# KiCad board SparkFun_RTK_Facet_mosaic_panelized.kicad_pcb (continued)
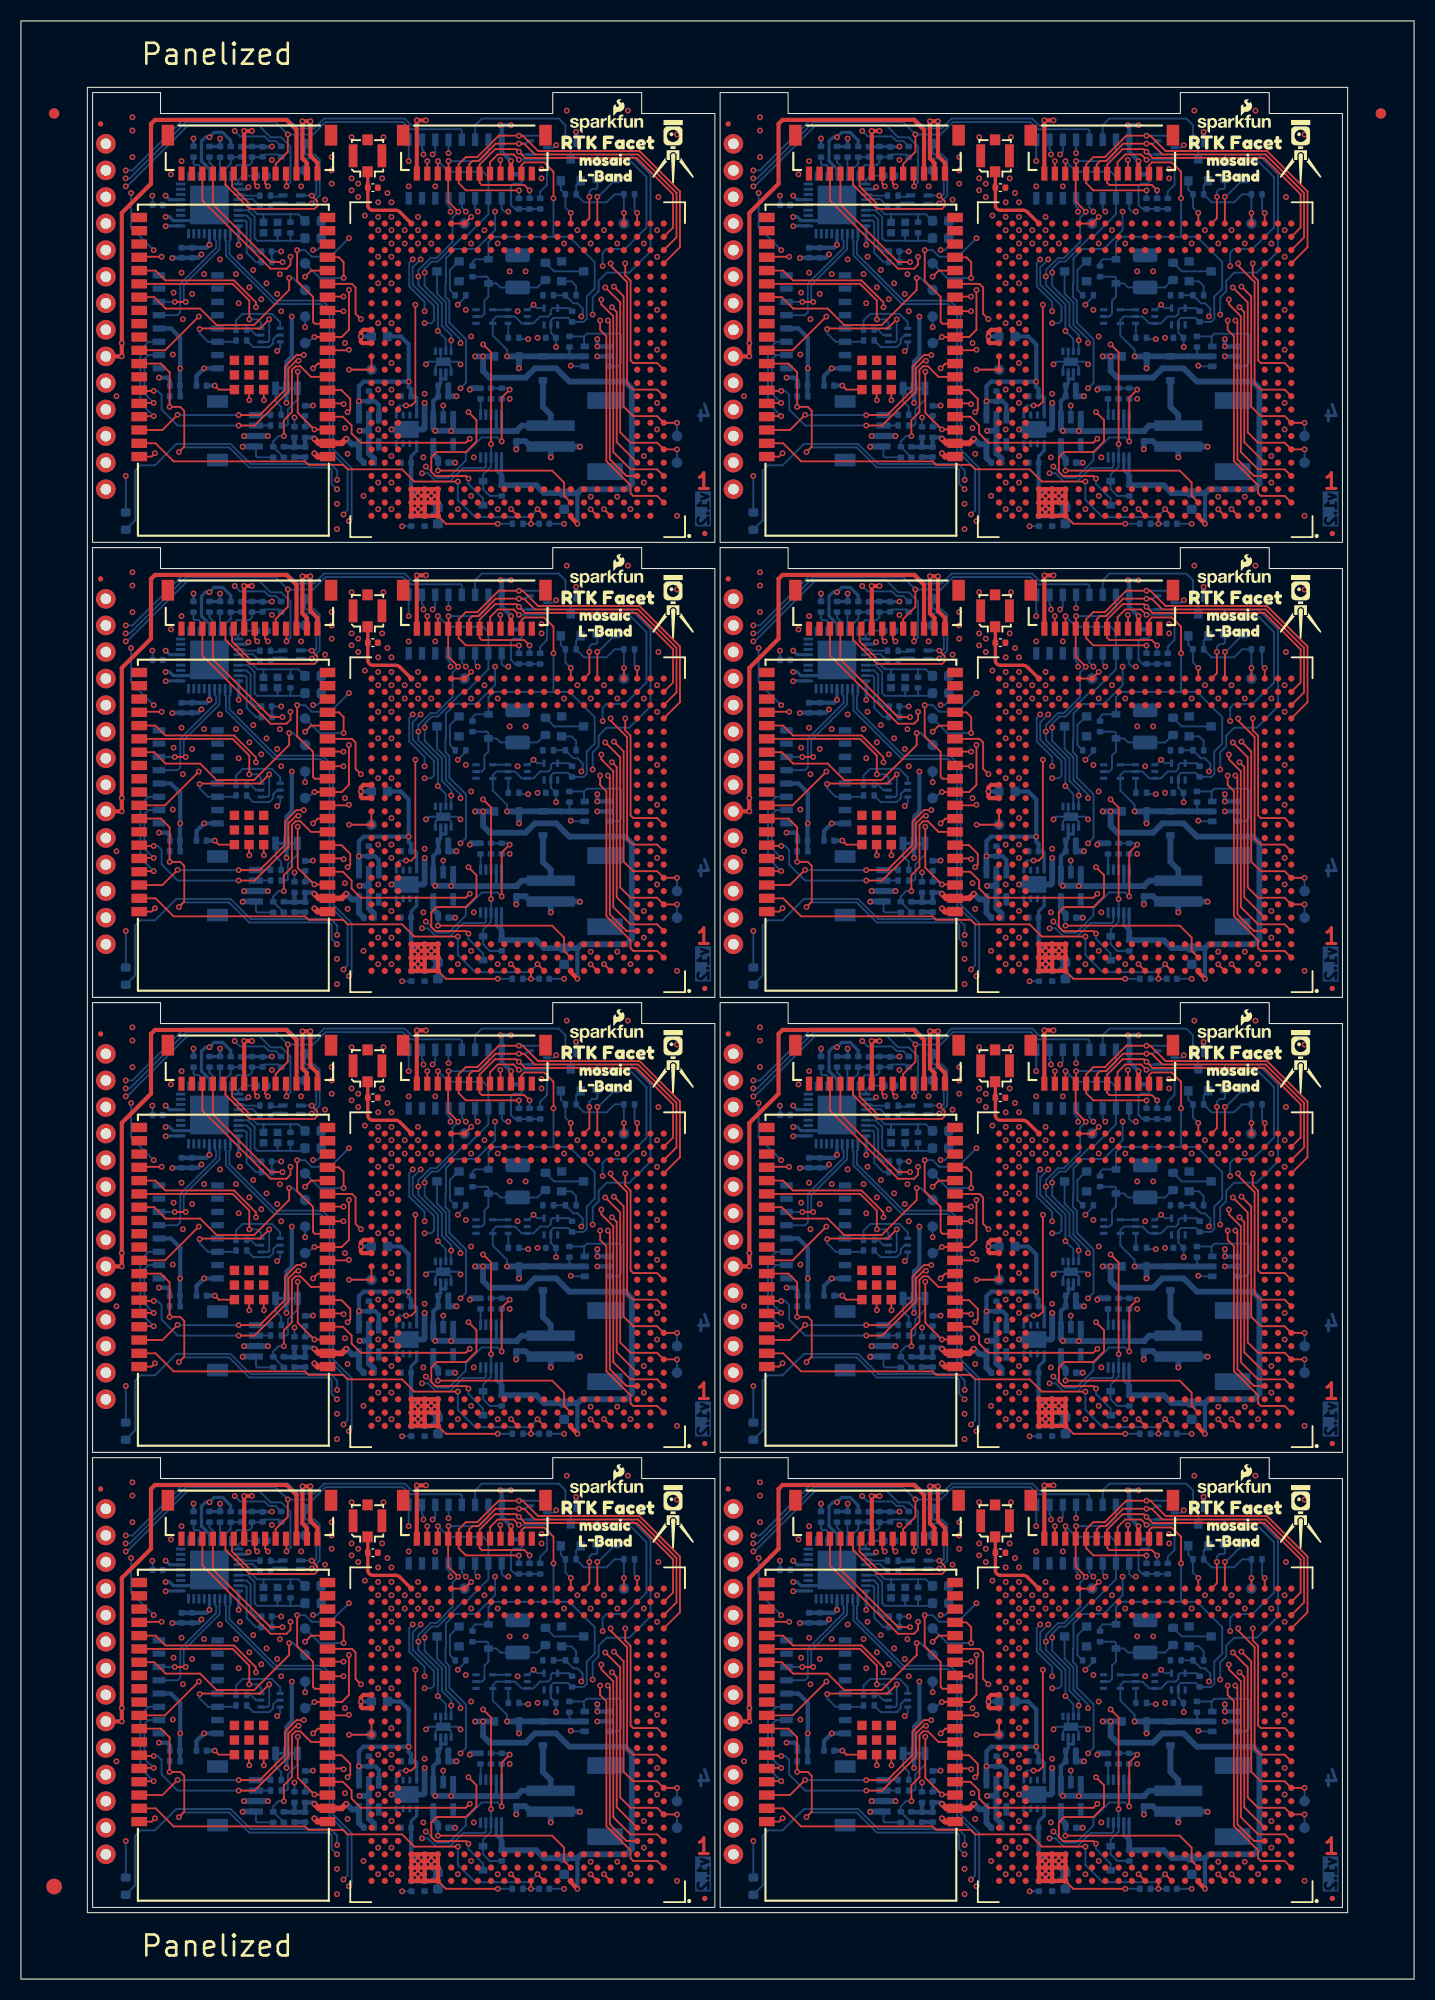
[diagram p0: board, top side]
## Placement (name value [footprint] x y rotation side) (continued)
FID4#8  Fiducial_0.5mm  [Fiducial_0.5mm_Mask1mm]  125.38 94.7 0 top
G1  OSHW_Logo  [Creative_Commons_License]  183.94 -7.12 0 top
G***  LOGO  [SparkFun_Logo_7mm]  115.96 90.48 0 top
G***#2  LOGO  [SparkFun_Logo_7mm]  55.96 46.98 0 top
G***#3  LOGO  [SparkFun_Logo_7mm]  115.96 46.98 0 top
G***#4  LOGO  [SparkFun_Logo_7mm]  55.96 177.48 0 top
G***#5  LOGO  [SparkFun_Logo_7mm]  55.96 133.98 0 top
G***#6  LOGO  [SparkFun_Logo_7mm]  115.96 177.48 0 top
G***#7  LOGO  [SparkFun_Logo_7mm]  55.96 90.48 0 top
G***#8  LOGO  [SparkFun_Logo_7mm]  115.96 133.98 0 top
G***#9  LOGO  [qwiic_5.5mm]  16.76 61.02 90 bottom
G***#10  LOGO  [qwiic_5.5mm]  76.76 61.02 90 bottom
G***#11  LOGO  [qwiic_5.5mm]  16.76 104.52 90 bottom
G***#12  LOGO  [qwiic_5.5mm]  76.76 17.52 90 bottom
G***#13  LOGO  [SparkFun_Logo_10mm]  60.19 119.63 180 bottom
G***#14  LOGO  [qwiic_5.5mm]  76.76 148.02 90 bottom
G***#15  LOGO  [qwiic_5.5mm]  76.76 104.52 90 bottom
G***#16  LOGO  [SparkFun_Logo_10mm]  60.19 76.13 180 bottom
G***#17  LOGO  [SparkFun_Logo_10mm]  60.19 32.63 180 bottom
G***#18  LOGO  [SparkFun_Logo_10mm]  120.19 76.13 180 bottom
G***#19  LOGO  [SparkFun_Logo_10mm]  60.19 163.13 180 bottom
G***#20  LOGO  [SparkFun_Logo_10mm]  120.19 163.13 180 bottom
G***#21  LOGO  [SparkFun_Logo_10mm]  120.19 32.63 180 bottom
G***#22  LOGO  [qwiic_5.5mm]  16.76 17.52 90 bottom
G***#23  LOGO  [SparkFun_Logo_10mm]  120.19 119.63 180 bottom
G***#24  LOGO  [qwiic_5.5mm]  16.76 148.02 90 bottom
J1  Val**  [U.FL]  33.14 43.81 270 top
J1#2  Val**  [U.FL]  93.14 87.31 270 top
J1#3  Val**  [U.FL]  33.14 174.31 270 top
J1#4  Val**  [U.FL]  93.14 174.31 270 top
J1#5  Val**  [U.FL]  93.14 43.81 270 top
J1#6  Val**  [U.FL]  93.14 130.81 270 top
J1#7  Val**  [U.FL]  33.14 87.31 270 top
J1#8  Val**  [U.FL]  33.14 130.81 270 top
J2  JST_2mm_LiPo  [JST_SMD_2.0mm-2]  114.35 147.51 90 bottom
J2#2  JST_2mm_LiPo  [JST_SMD_2.0mm-2]  54.35 60.51 90 bottom
J2#3  JST_2mm_LiPo  [JST_SMD_2.0mm-2]  114.35 17.01 90 bottom
J2#4  JST_2mm_LiPo  [JST_SMD_2.0mm-2]  114.35 60.51 90 bottom
J2#5  JST_2mm_LiPo  [JST_SMD_2.0mm-2]  54.35 104.01 90 bottom
J2#6  JST_2mm_LiPo  [JST_SMD_2.0mm-2]  114.35 104.01 90 bottom
J2#7  JST_2mm_LiPo  [JST_SMD_2.0mm-2]  54.35 147.51 90 bottom
J2#8  JST_2mm_LiPo  [JST_SMD_2.0mm-2]  54.35 17.01 90 bottom
J3  Qwiic_RA  [JST_SMD_1.0mm-4_RA]  82.47 61.02 90 bottom
J3#2  Qwiic_RA  [JST_SMD_1.0mm-4_RA]  82.47 17.52 90 bottom
J3#3  Qwiic_RA  [JST_SMD_1.0mm-4_RA]  22.47 61.02 90 bottom
J3#4  Qwiic_RA  [JST_SMD_1.0mm-4_RA]  22.47 104.52 90 bottom
J3#5  Qwiic_RA  [JST_SMD_1.0mm-4_RA]  82.47 104.52 90 bottom
J3#6  Qwiic_RA  [JST_SMD_1.0mm-4_RA]  82.47 148.02 90 bottom
J3#7  Qwiic_RA  [JST_SMD_1.0mm-4_RA]  22.47 17.52 90 bottom
J3#8  Qwiic_RA  [JST_SMD_1.0mm-4_RA]  22.47 148.02 90 bottom
J4  Conn_01x12  [JST_SMD_1.0mm-12_RA]  103.35 85.6 180 top
J4#2  Conn_01x12  [JST_SMD_1.0mm-12_RA]  43.35 85.6 180 top
J4#3  Conn_01x12  [JST_SMD_1.0mm-12_RA]  103.35 129.1 180 top
J4#4  Conn_01x12  [JST_SMD_1.0mm-12_RA]  43.35 172.6 180 top
J4#5  Conn_01x12  [JST_SMD_1.0mm-12_RA]  43.35 129.1 180 top
J4#6  Conn_01x12  [JST_SMD_1.0mm-12_RA]  43.35 42.1 180 top
J4#7  Conn_01x12  [JST_SMD_1.0mm-12_RA]  103.35 42.1 180 top
J4#8  Conn_01x12  [JST_SMD_1.0mm-12_RA]  103.35 172.6 180 top
J5  Conn_01x14  [JST_SMD_1.0mm-14_RA]  81.85 129.1 180 top
J5#2  Conn_01x14  [JST_SMD_1.0mm-14_RA]  21.85 172.6 180 top
J5#3  Conn_01x14  [JST_SMD_1.0mm-14_RA]  21.85 129.1 180 top
J5#4  Conn_01x14  [JST_SMD_1.0mm-14_RA]  81.85 172.6 180 top
J5#5  Conn_01x14  [JST_SMD_1.0mm-14_RA]  81.85 85.6 180 top
J5#6  Conn_01x14  [JST_SMD_1.0mm-14_RA]  21.85 85.6 180 top
J5#7  Conn_01x14  [JST_SMD_1.0mm-14_RA]  81.85 42.1 180 top
J5#8  Conn_01x14  [JST_SMD_1.0mm-14_RA]  21.85 42.1 180 top
JP1  ~  [Jumper_3_NC-2_Trace]  85.39 21.58 0 bottom
JP1#2  ~  [Jumper_3_NC-2_Trace]  25.39 21.58 0 bottom
JP1#3  ~  [Jumper_3_NC-2_Trace]  85.39 152.08 0 bottom
JP1#4  ~  [Jumper_3_NC-2_Trace]  25.39 108.58 0 bottom
JP1#5  ~  [Jumper_3_NC-2_Trace]  25.39 65.08 0 bottom
JP1#6  ~  [Jumper_3_NC-2_Trace]  85.39 108.58 0 bottom
JP1#7  ~  [Jumper_3_NC-2_Trace]  85.39 65.08 0 bottom
JP1#8  ~  [Jumper_3_NC-2_Trace]  25.39 152.08 0 bottom
kibuzzard-65A7F4BF  G***  [kibuzzard-65A7F4BF]  70.41 29.71 180 bottom
kibuzzard-65A7F4BF#2  G***  [kibuzzard-65A7F4BF]  70.41 160.21 180 bottom
kibuzzard-65A7F4BF#3  G***  [kibuzzard-65A7F4BF]  70.41 73.21 180 bottom
kibuzzard-65A7F4BF#4  G***  [kibuzzard-65A7F4BF]  10.41 116.71 180 bottom
kibuzzard-65A7F4BF#5  G***  [kibuzzard-65A7F4BF]  10.41 160.21 180 bottom
kibuzzard-65A7F4BF#6  G***  [kibuzzard-65A7F4BF]  10.41 29.71 180 bottom
kibuzzard-65A7F4BF#7  G***  [kibuzzard-65A7F4BF]  10.41 73.21 180 bottom
kibuzzard-65A7F4BF#8  G***  [kibuzzard-65A7F4BF]  70.41 116.71 180 bottom
kibuzzard-65A7F4D6  G***  [kibuzzard-65A7F4D6]  10.66 114.17 180 bottom
kibuzzard-65A7F4D6#2  G***  [kibuzzard-65A7F4D6]  70.66 157.67 180 bottom
kibuzzard-65A7F4D6#3  G***  [kibuzzard-65A7F4D6]  70.66 114.17 180 bottom
kibuzzard-65A7F4D6#4  G***  [kibuzzard-65A7F4D6]  70.66 27.17 180 bottom
kibuzzard-65A7F4D6#5  G***  [kibuzzard-65A7F4D6]  10.66 157.67 180 bottom
kibuzzard-65A7F4D6#6  G***  [kibuzzard-65A7F4D6]  10.66 27.17 180 bottom
kibuzzard-65A7F4D6#7  G***  [kibuzzard-65A7F4D6]  10.66 70.67 180 bottom
kibuzzard-65A7F4D6#8  G***  [kibuzzard-65A7F4D6]  70.66 70.67 180 bottom
kibuzzard-65A7F4E8  G***  [kibuzzard-65A7F4E8]  70.66 24.63 180 bottom
kibuzzard-65A7F4E8#2  G***  [kibuzzard-65A7F4E8]  70.66 155.13 180 bottom
kibuzzard-65A7F4E8#3  G***  [kibuzzard-65A7F4E8]  10.66 155.13 180 bottom
kibuzzard-65A7F4E8#4  G***  [kibuzzard-65A7F4E8]  10.66 68.13 180 bottom
kibuzzard-65A7F4E8#5  G***  [kibuzzard-65A7F4E8]  70.66 111.63 180 bottom
kibuzzard-65A7F4E8#6  G***  [kibuzzard-65A7F4E8]  10.66 24.63 180 bottom
kibuzzard-65A7F4E8#7  G***  [kibuzzard-65A7F4E8]  70.66 68.13 180 bottom
kibuzzard-65A7F4E8#8  G***  [kibuzzard-65A7F4E8]  10.66 111.63 180 bottom
kibuzzard-65A7F5A7  G***  [kibuzzard-65A7F5A7]  89.2 25.9 180 bottom
kibuzzard-65A7F5A7#2  G***  [kibuzzard-65A7F5A7]  89.2 156.4 180 bottom
kibuzzard-65A7F5A7#3  G***  [kibuzzard-65A7F5A7]  29.2 112.9 180 bottom
kibuzzard-65A7F5A7#4  G***  [kibuzzard-65A7F5A7]  29.2 25.9 180 bottom
kibuzzard-65A7F5A7#5  G***  [kibuzzard-65A7F5A7]  29.2 69.4 180 bottom
kibuzzard-65A7F5A7#6  G***  [kibuzzard-65A7F5A7]  29.2 156.4 180 bottom
kibuzzard-65A7F5A7#7  G***  [kibuzzard-65A7F5A7]  89.2 112.9 180 bottom
kibuzzard-65A7F5A7#8  G***  [kibuzzard-65A7F5A7]  89.2 69.4 180 bottom
kibuzzard-65A7F5BC  G***  [kibuzzard-65A7F5BC]  29.08 115.44 180 bottom
kibuzzard-65A7F5BC#2  G***  [kibuzzard-65A7F5BC]  29.08 158.94 180 bottom
kibuzzard-65A7F5BC#3  G***  [kibuzzard-65A7F5BC]  29.08 71.94 180 bottom
kibuzzard-65A7F5BC#4  G***  [kibuzzard-65A7F5BC]  89.07 115.44 180 bottom
kibuzzard-65A7F5BC#5  G***  [kibuzzard-65A7F5BC]  89.07 71.94 180 bottom
kibuzzard-65A7F5BC#6  G***  [kibuzzard-65A7F5BC]  89.07 28.44 180 bottom
kibuzzard-65A7F5BC#7  G***  [kibuzzard-65A7F5BC]  29.08 28.44 180 bottom
kibuzzard-65A7F5BC#8  G***  [kibuzzard-65A7F5BC]  89.07 158.94 180 bottom
kibuzzard-65A7F5CF  G***  [kibuzzard-65A7F5CF]  29.33 161.48 180 bottom
kibuzzard-65A7F5CF#2  G***  [kibuzzard-65A7F5CF]  29.33 30.98 180 bottom
kibuzzard-65A7F5CF#3  G***  [kibuzzard-65A7F5CF]  89.33 117.98 180 bottom
kibuzzard-65A7F5CF#4  G***  [kibuzzard-65A7F5CF]  29.33 117.98 180 bottom
kibuzzard-65A7F5CF#5  G***  [kibuzzard-65A7F5CF]  29.33 74.48 180 bottom
kibuzzard-65A7F5CF#6  G***  [kibuzzard-65A7F5CF]  89.33 30.98 180 bottom
kibuzzard-65A7F5CF#7  G***  [kibuzzard-65A7F5CF]  89.33 74.48 180 bottom
kibuzzard-65A7F5CF#8  G***  [kibuzzard-65A7F5CF]  89.33 161.48 180 bottom
kibuzzard-65A7F5E3  G***  [kibuzzard-65A7F5E3]  29.2 33.52 180 bottom
kibuzzard-65A7F5E3#2  G***  [kibuzzard-65A7F5E3]  29.2 120.52 180 bottom
kibuzzard-65A7F5E3#3  G***  [kibuzzard-65A7F5E3]  89.2 33.52 180 bottom
kibuzzard-65A7F5E3#4  G***  [kibuzzard-65A7F5E3]  89.2 77.02 180 bottom
kibuzzard-65A7F5E3#5  G***  [kibuzzard-65A7F5E3]  89.2 164.02 180 bottom
kibuzzard-65A7F5E3#6  G***  [kibuzzard-65A7F5E3]  29.2 164.02 180 bottom
kibuzzard-65A7F5E3#7  G***  [kibuzzard-65A7F5E3]  89.2 120.52 180 bottom
kibuzzard-65A7F5E3#8  G***  [kibuzzard-65A7F5E3]  29.2 77.02 180 bottom
kibuzzard-65A7F7BA  G***  [kibuzzard-65A7F7BA]  50.28 19.42 180 bottom
kibuzzard-65A7F7BA#2  G***  [kibuzzard-65A7F7BA]  110.28 19.42 180 bottom
kibuzzard-65A7F7BA#3  G***  [kibuzzard-65A7F7BA]  50.28 149.92 180 bottom
kibuzzard-65A7F7BA#4  G***  [kibuzzard-65A7F7BA]  110.28 149.92 180 bottom
kibuzzard-65A7F7BA#5  G***  [kibuzzard-65A7F7BA]  50.28 62.92 180 bottom
kibuzzard-65A7F7BA#6  G***  [kibuzzard-65A7F7BA]  110.28 106.42 180 bottom
kibuzzard-65A7F7BA#7  G***  [kibuzzard-65A7F7BA]  110.28 62.92 180 bottom
kibuzzard-65A7F7BA#8  G***  [kibuzzard-65A7F7BA]  50.28 106.42 180 bottom
kibuzzard-65A7F7EA  G***  [kibuzzard-65A7F7EA]  50.28 14.6 90 bottom
kibuzzard-65A7F7EA#2  G***  [kibuzzard-65A7F7EA]  110.28 14.6 90 bottom
kibuzzard-65A7F7EA#3  G***  [kibuzzard-65A7F7EA]  110.28 58.1 90 bottom
kibuzzard-65A7F7EA#4  G***  [kibuzzard-65A7F7EA]  50.28 101.6 90 bottom
kibuzzard-65A7F7EA#5  G***  [kibuzzard-65A7F7EA]  50.28 145.1 90 bottom
kibuzzard-65A7F7EA#6  G***  [kibuzzard-65A7F7EA]  50.28 58.1 90 bottom
kibuzzard-65A7F7EA#7  G***  [kibuzzard-65A7F7EA]  110.28 101.6 90 bottom
kibuzzard-65A7F7EA#8  G***  [kibuzzard-65A7F7EA]  110.28 145.1 90 bottom
kibuzzard-65A7F47C  G***  [kibuzzard-65A7F47C]  10.41 129.41 180 bottom
kibuzzard-65A7F47C#2  G***  [kibuzzard-65A7F47C]  70.41 129.41 180 bottom
kibuzzard-65A7F47C#3  G***  [kibuzzard-65A7F47C]  70.41 172.91 180 bottom
kibuzzard-65A7F47C#4  G***  [kibuzzard-65A7F47C]  70.41 42.41 180 bottom
kibuzzard-65A7F47C#5  G***  [kibuzzard-65A7F47C]  10.41 42.41 180 bottom
kibuzzard-65A7F47C#6  G***  [kibuzzard-65A7F47C]  10.41 85.91 180 bottom
kibuzzard-65A7F47C#7  G***  [kibuzzard-65A7F47C]  70.41 85.91 180 bottom
kibuzzard-65A7F47C#8  G***  [kibuzzard-65A7F47C]  10.41 172.91 180 bottom
kibuzzard-65A7F60E  G***  [kibuzzard-65A7F60E]  35.55 153.86 180 bottom
kibuzzard-65A7F60E#2  G***  [kibuzzard-65A7F60E]  35.55 66.86 180 bottom
kibuzzard-65A7F60E#3  G***  [kibuzzard-65A7F60E]  95.55 110.36 180 bottom
kibuzzard-65A7F60E#4  G***  [kibuzzard-65A7F60E]  95.55 23.36 180 bottom
kibuzzard-65A7F60E#5  G***  [kibuzzard-65A7F60E]  95.55 153.86 180 bottom
kibuzzard-65A7F60E#6  G***  [kibuzzard-65A7F60E]  35.55 23.36 180 bottom
kibuzzard-65A7F60E#7  G***  [kibuzzard-65A7F60E]  35.55 110.36 180 bottom
kibuzzard-65A7F60E#8  G***  [kibuzzard-65A7F60E]  95.55 66.86 180 bottom
kibuzzard-65A7F63F  G***  [kibuzzard-65A7F63F]  100.38 167.83 180 bottom
kibuzzard-65A7F63F#2  G***  [kibuzzard-65A7F63F]  40.38 37.33 180 bottom
kibuzzard-65A7F63F#3  G***  [kibuzzard-65A7F63F]  40.38 80.83 180 bottom
kibuzzard-65A7F63F#4  G***  [kibuzzard-65A7F63F]  100.38 80.83 180 bottom
kibuzzard-65A7F63F#5  G***  [kibuzzard-65A7F63F]  40.38 167.83 180 bottom
kibuzzard-65A7F63F#6  G***  [kibuzzard-65A7F63F]  100.38 37.33 180 bottom
kibuzzard-65A7F63F#7  G***  [kibuzzard-65A7F63F]  40.38 124.33 180 bottom
kibuzzard-65A7F63F#8  G***  [kibuzzard-65A7F63F]  100.38 124.33 180 bottom
kibuzzard-65A7F440  G***  [kibuzzard-65A7F440]  70.66 131.95 180 bottom
kibuzzard-65A7F440#2  G***  [kibuzzard-65A7F440]  70.66 142.43 180 bottom
kibuzzard-65A7F440#3  G***  [kibuzzard-65A7F440]  10.66 175.45 180 bottom
kibuzzard-65A7F440#4  G***  [kibuzzard-65A7F440]  10.66 142.43 180 bottom
kibuzzard-65A7F440#5  G***  [kibuzzard-65A7F440]  10.66 55.43 180 bottom
kibuzzard-65A7F440#6  G***  [kibuzzard-65A7F440]  10.66 98.93 180 bottom
kibuzzard-65A7F440#7  G***  [kibuzzard-65A7F440]  10.66 131.95 180 bottom
kibuzzard-65A7F440#8  G***  [kibuzzard-65A7F440]  70.66 88.45 180 bottom
kibuzzard-65A7F440#9  G***  [kibuzzard-65A7F440]  10.66 88.45 180 bottom
kibuzzard-65A7F440#10  G***  [kibuzzard-65A7F440]  10.66 11.93 180 bottom
kibuzzard-65A7F440#11  G***  [kibuzzard-65A7F440]  10.66 44.95 180 bottom
kibuzzard-65A7F440#12  G***  [kibuzzard-65A7F440]  70.66 44.95 180 bottom
kibuzzard-65A7F440#13  G***  [kibuzzard-65A7F440]  70.66 55.43 180 bottom
kibuzzard-65A7F440#14  G***  [kibuzzard-65A7F440]  70.66 98.93 180 bottom
kibuzzard-65A7F440#15  G***  [kibuzzard-65A7F440]  70.66 11.93 180 bottom
kibuzzard-65A7F440#16  G***  [kibuzzard-65A7F440]  70.66 175.45 180 bottom
kibuzzard-65A7F499  G***  [kibuzzard-65A7F499]  10.53 78.29 180 bottom
kibuzzard-65A7F499#2  G***  [kibuzzard-65A7F499]  10.53 121.79 180 bottom
kibuzzard-65A7F499#3  G***  [kibuzzard-65A7F499]  70.53 34.79 180 bottom
kibuzzard-65A7F499#4  G***  [kibuzzard-65A7F499]  70.53 78.29 180 bottom
kibuzzard-65A7F499#5  G***  [kibuzzard-65A7F499]  70.53 121.79 180 bottom
kibuzzard-65A7F499#6  G***  [kibuzzard-65A7F499]  10.53 165.29 180 bottom
kibuzzard-65A7F499#7  G***  [kibuzzard-65A7F499]  70.53 165.29 180 bottom
kibuzzard-65A7F499#8  G***  [kibuzzard-65A7F499]  10.53 34.79 180 bottom
kibuzzard-65A7F511  G***  [kibuzzard-65A7F511]  70.53 109.09 180 bottom
kibuzzard-65A7F511#2  G***  [kibuzzard-65A7F511]  10.53 152.59 180 bottom
kibuzzard-65A7F511#3  G***  [kibuzzard-65A7F511]  70.53 65.59 180 bottom
kibuzzard-65A7F511#4  G***  [kibuzzard-65A7F511]  10.53 65.59 180 bottom
kibuzzard-65A7F511#5  G***  [kibuzzard-65A7F511]  10.53 22.09 180 bottom
kibuzzard-65A7F511#6  G***  [kibuzzard-65A7F511]  10.53 109.09 180 bottom
kibuzzard-65A7F511#7  G***  [kibuzzard-65A7F511]  70.53 22.09 180 bottom
kibuzzard-65A7F511#8  G***  [kibuzzard-65A7F511]  70.53 152.59 180 bottom
kibuzzard-65A7F548  G***  [kibuzzard-65A7F548]  11.04 19.55 180 bottom
kibuzzard-65A7F548#2  G***  [kibuzzard-65A7F548]  11.04 150.05 180 bottom
kibuzzard-65A7F548#3  G***  [kibuzzard-65A7F548]  71.04 150.05 180 bottom
kibuzzard-65A7F548#4  G***  [kibuzzard-65A7F548]  71.04 19.55 180 bottom
kibuzzard-65A7F548#5  G***  [kibuzzard-65A7F548]  11.04 63.05 180 bottom
kibuzzard-65A7F548#6  G***  [kibuzzard-65A7F548]  71.04 106.55 180 bottom
kibuzzard-65A7F548#7  G***  [kibuzzard-65A7F548]  71.04 63.05 180 bottom
kibuzzard-65A7F548#8  G***  [kibuzzard-65A7F548]  11.04 106.55 180 bottom
kibuzzard-65A7F565  G***  [kibuzzard-65A7F565]  70.53 104.01 180 bottom
kibuzzard-65A7F565#2  G***  [kibuzzard-65A7F565]  10.53 17.01 180 bottom
kibuzzard-65A7F565#3  G***  [kibuzzard-65A7F565]  10.53 60.51 180 bottom
kibuzzard-65A7F565#4  G***  [kibuzzard-65A7F565]  10.53 147.51 180 bottom
kibuzzard-65A7F565#5  G***  [kibuzzard-65A7F565]  10.53 104.01 180 bottom
kibuzzard-65A7F565#6  G***  [kibuzzard-65A7F565]  70.53 17.01 180 bottom
kibuzzard-65A7F565#7  G***  [kibuzzard-65A7F565]  70.53 147.51 180 bottom
kibuzzard-65A7F565#8  G***  [kibuzzard-65A7F565]  70.53 60.51 180 bottom
kibuzzard-65A7F574  G***  [kibuzzard-65A7F574]  70.66 14.47 180 bottom
kibuzzard-65A7F574#2  G***  [kibuzzard-65A7F574]  10.66 101.47 180 bottom
kibuzzard-65A7F574#3  G***  [kibuzzard-65A7F574]  70.66 101.47 180 bottom
kibuzzard-65A7F574#4  G***  [kibuzzard-65A7F574]  10.66 144.97 180 bottom
kibuzzard-65A7F574#5  G***  [kibuzzard-65A7F574]  10.66 57.97 180 bottom
kibuzzard-65A7F574#6  G***  [kibuzzard-65A7F574]  10.66 14.47 180 bottom
kibuzzard-65A7F574#7  G***  [kibuzzard-65A7F574]  70.66 144.97 180 bottom
kibuzzard-65A7F574#8  G***  [kibuzzard-65A7F574]  70.66 57.97 180 bottom
kibuzzard-65A7F686  G***  [kibuzzard-65A7F686]  88.82 129.41 180 bottom
kibuzzard-65A7F686#2  G***  [kibuzzard-65A7F686]  28.82 129.41 180 bottom
kibuzzard-65A7F686#3  G***  [kibuzzard-65A7F686]  88.82 85.91 180 bottom
kibuzzard-65A7F686#4  G***  [kibuzzard-65A7F686]  88.82 172.91 180 bottom
kibuzzard-65A7F686#5  G***  [kibuzzard-65A7F686]  88.82 42.41 180 bottom
kibuzzard-65A7F686#6  G***  [kibuzzard-65A7F686]  28.82 172.91 180 bottom
kibuzzard-65A7F686#7  G***  [kibuzzard-65A7F686]  28.82 85.91 180 bottom
kibuzzard-65A7F686#8  G***  [kibuzzard-65A7F686]  28.82 42.41 180 bottom
kibuzzard-65A7F697  G***  [kibuzzard-65A7F697]  28.82 132.08 180 bottom
kibuzzard-65A7F697#2  G***  [kibuzzard-65A7F697]  88.82 175.58 180 bottom
kibuzzard-65A7F697#3  G***  [kibuzzard-65A7F697]  28.82 175.58 180 bottom
kibuzzard-65A7F697#4  G***  [kibuzzard-65A7F697]  28.82 45.08 180 bottom
kibuzzard-65A7F697#5  G***  [kibuzzard-65A7F697]  88.82 132.08 180 bottom
kibuzzard-65A7F697#6  G***  [kibuzzard-65A7F697]  88.82 45.08 180 bottom
kibuzzard-65A7F697#7  G***  [kibuzzard-65A7F697]  28.82 88.58 180 bottom
kibuzzard-65A7F697#8  G***  [kibuzzard-65A7F697]  88.82 88.58 180 bottom
kibuzzard-65A7F771  G***  [kibuzzard-65A7F771]  59.68 37.33 180 bottom
kibuzzard-65A7F771#2  G***  [kibuzzard-65A7F771]  119.68 37.33 180 bottom
kibuzzard-65A7F771#3  G***  [kibuzzard-65A7F771]  119.68 80.83 180 bottom
kibuzzard-65A7F771#4  G***  [kibuzzard-65A7F771]  59.68 80.83 180 bottom
kibuzzard-65A7F771#5  G***  [kibuzzard-65A7F771]  119.68 124.33 180 bottom
kibuzzard-65A7F771#6  G***  [kibuzzard-65A7F771]  59.68 167.83 180 bottom
kibuzzard-65A7F771#7  G***  [kibuzzard-65A7F771]  59.68 124.33 180 bottom
kibuzzard-65A7F771#8  G***  [kibuzzard-65A7F771]  119.68 167.83 180 bottom
kibuzzard-65A7F891  G***  [kibuzzard-65A7F891]  28.57 108.58 180 bottom
kibuzzard-65A7F891#2  G***  [kibuzzard-65A7F891]  88.57 152.08 180 bottom
kibuzzard-65A7F891#3  G***  [kibuzzard-65A7F891]  28.57 21.58 180 bottom
kibuzzard-65A7F891#4  G***  [kibuzzard-65A7F891]  28.57 152.08 180 bottom
kibuzzard-65A7F891#5  G***  [kibuzzard-65A7F891]  28.57 65.08 180 bottom
kibuzzard-65A7F891#6  G***  [kibuzzard-65A7F891]  88.57 65.08 180 bottom
kibuzzard-65A7F891#7  G***  [kibuzzard-65A7F891]  88.57 108.58 180 bottom
kibuzzard-65A7F891#8  G***  [kibuzzard-65A7F891]  88.57 21.58 180 bottom
kibuzzard-65AEA1E6  G***  [kibuzzard-65AEA1E6]  10.79 126.87 180 bottom
kibuzzard-65AEA1E6#2  G***  [kibuzzard-65AEA1E6]  10.79 39.87 180 bottom
kibuzzard-65AEA1E6#3  G***  [kibuzzard-65AEA1E6]  70.79 126.87 180 bottom
kibuzzard-65AEA1E6#4  G***  [kibuzzard-65AEA1E6]  10.79 83.37 180 bottom
kibuzzard-65AEA1E6#5  G***  [kibuzzard-65AEA1E6]  70.79 170.37 180 bottom
kibuzzard-65AEA1E6#6  G***  [kibuzzard-65AEA1E6]  70.79 39.87 180 bottom
kibuzzard-65AEA1E6#7  G***  [kibuzzard-65AEA1E6]  70.79 83.37 180 bottom
kibuzzard-65AEA1E6#8  G***  [kibuzzard-65AEA1E6]  10.79 170.37 180 bottom
kibuzzard-65AEA201  G***  [kibuzzard-65AEA201]  10.28 167.83 180 bottom
kibuzzard-65AEA201#2  G***  [kibuzzard-65AEA201]  70.28 124.33 180 bottom
kibuzzard-65AEA201#3  G***  [kibuzzard-65AEA201]  10.28 124.33 180 bottom
kibuzzard-65AEA201#4  G***  [kibuzzard-65AEA201]  70.28 37.33 180 bottom
kibuzzard-65AEA201#5  G***  [kibuzzard-65AEA201]  70.28 167.83 180 bottom
kibuzzard-65AEA201#6  G***  [kibuzzard-65AEA201]  10.28 37.33 180 bottom
kibuzzard-65AEA201#7  G***  [kibuzzard-65AEA201]  10.28 80.83 180 bottom
kibuzzard-65AEA201#8  G***  [kibuzzard-65AEA201]  70.28 80.83 180 bottom
kibuzzard-65AEA759  G***  [kibuzzard-65AEA759]  10.53 119.25 180 bottom
kibuzzard-65AEA759#2  G***  [kibuzzard-65AEA759]  70.53 162.75 180 bottom
kibuzzard-65AEA759#3  G***  [kibuzzard-65AEA759]  10.53 75.75 180 bottom
kibuzzard-65AEA759#4  G***  [kibuzzard-65AEA759]  10.53 162.75 180 bottom
kibuzzard-65AEA759#5  G***  [kibuzzard-65AEA759]  70.53 75.75 180 bottom
kibuzzard-65AEA759#6  G***  [kibuzzard-65AEA759]  10.53 32.25 180 bottom
kibuzzard-65AEA759#7  G***  [kibuzzard-65AEA759]  70.53 32.25 180 bottom
kibuzzard-65AEA759#8  G***  [kibuzzard-65AEA759]  70.53 119.25 180 bottom
kibuzzard-670CFFCD  G***  [kibuzzard-670CFFCD]  60.82 104.01 180 bottom
kibuzzard-670CFFCD#2  G***  [kibuzzard-670CFFCD]  60.82 17.01 180 bottom
kibuzzard-670CFFCD#3  G***  [kibuzzard-670CFFCD]  60.82 60.51 180 bottom
kibuzzard-670CFFCD#4  G***  [kibuzzard-670CFFCD]  120.82 60.51 180 bottom
kibuzzard-670CFFCD#5  G***  [kibuzzard-670CFFCD]  120.82 147.51 180 bottom
kibuzzard-670CFFCD#6  G***  [kibuzzard-670CFFCD]  120.82 104.01 180 bottom
kibuzzard-670CFFCD#7  G***  [kibuzzard-670CFFCD]  60.82 147.51 180 bottom
kibuzzard-670CFFCD#8  G***  [kibuzzard-670CFFCD]  120.82 17.01 180 bottom
kibuzzard-670CFFE9  G***  [kibuzzard-670CFFE9]  120.82 57.97 180 bottom
kibuzzard-670CFFE9#2  G***  [kibuzzard-670CFFE9]  60.82 57.97 180 bottom
kibuzzard-670CFFE9#3  G***  [kibuzzard-670CFFE9]  120.82 101.47 180 bottom
kibuzzard-670CFFE9#4  G***  [kibuzzard-670CFFE9]  60.82 14.47 180 bottom
kibuzzard-670CFFE9#5  G***  [kibuzzard-670CFFE9]  120.82 144.97 180 bottom
kibuzzard-670CFFE9#6  G***  [kibuzzard-670CFFE9]  60.82 144.97 180 bottom
kibuzzard-670CFFE9#7  G***  [kibuzzard-670CFFE9]  120.82 14.47 180 bottom
kibuzzard-670CFFE9#8  G***  [kibuzzard-670CFFE9]  60.82 101.47 180 bottom
kibuzzard-65776CFF  G***  [kibuzzard-65776CFF]  116.13 175.58 0 top
kibuzzard-65776CFF#2  G***  [kibuzzard-65776CFF]  56.13 45.08 0 top
kibuzzard-65776CFF#3  G***  [kibuzzard-65776CFF]  116.13 88.58 0 top
kibuzzard-65776CFF#4  G***  [kibuzzard-65776CFF]  116.13 132.08 0 top
kibuzzard-65776CFF#5  G***  [kibuzzard-65776CFF]  56.13 132.08 0 top
kibuzzard-65776CFF#6  G***  [kibuzzard-65776CFF]  116.13 45.08 0 top
kibuzzard-65776CFF#7  G***  [kibuzzard-65776CFF]  56.13 175.58 0 top
kibuzzard-65776CFF#8  G***  [kibuzzard-65776CFF]  56.13 88.58 0 top
kibuzzard-65776CFF#9  G***  [kibuzzard-65776CFF]  60.19 117.34 180 bottom
kibuzzard-65776CFF#10  G***  [kibuzzard-65776CFF]  120.19 30.34 180 bottom
kibuzzard-65776CFF#11  G***  [kibuzzard-65776CFF]  60.19 160.84 180 bottom
kibuzzard-65776CFF#12  G***  [kibuzzard-65776CFF]  60.19 73.84 180 bottom
kibuzzard-65776CFF#13  G***  [kibuzzard-65776CFF]  60.19 30.34 180 bottom
kibuzzard-65776CFF#14  G***  [kibuzzard-65776CFF]  120.19 73.84 180 bottom
kibuzzard-65776CFF#15  G***  [kibuzzard-65776CFF]  120.19 117.34 180 bottom
kibuzzard-65776CFF#16  G***  [kibuzzard-65776CFF]  120.19 160.84 180 bottom
kibuzzard-65776D0F  G***  [kibuzzard-65776D0F]  60.19 26.79 180 bottom
kibuzzard-65776D0F#2  G***  [kibuzzard-65776D0F]  120.19 157.29 180 bottom
kibuzzard-65776D0F#3  G***  [kibuzzard-65776D0F]  60.19 157.29 180 bottom
kibuzzard-65776D0F#4  G***  [kibuzzard-65776D0F]  60.19 113.79 180 bottom
kibuzzard-65776D0F#5  G***  [kibuzzard-65776D0F]  120.19 70.29 180 bottom
kibuzzard-65776D0F#6  G***  [kibuzzard-65776D0F]  120.19 26.79 180 bottom
kibuzzard-65776D0F#7  G***  [kibuzzard-65776D0F]  120.19 113.79 180 bottom
kibuzzard-65776D0F#8  G***  [kibuzzard-65776D0F]  60.19 70.29 180 bottom
kibuzzard-65776D09  G***  [kibuzzard-65776D09]  120.19 115.57 180 bottom
kibuzzard-65776D09#2  G***  [kibuzzard-65776D09]  120.19 72.07 180 bottom
kibuzzard-65776D09#3  G***  [kibuzzard-65776D09]  60.19 159.07 180 bottom
kibuzzard-65776D09#4  G***  [kibuzzard-65776D09]  60.19 72.07 180 bottom
kibuzzard-65776D09#5  G***  [kibuzzard-65776D09]  120.19 28.57 180 bottom
kibuzzard-65776D09#6  G***  [kibuzzard-65776D09]  120.19 159.07 180 bottom
kibuzzard-65776D09#7  G***  [kibuzzard-65776D09]  60.19 28.57 180 bottom
kibuzzard-65776D09#8  G***  [kibuzzard-65776D09]  60.19 115.57 180 bottom
kibuzzard-65777033  G***  [kibuzzard-65777033]  115.87 172.4 0 top
kibuzzard-65777033#2  G***  [kibuzzard-65777033]  115.87 128.9 0 top
kibuzzard-65777033#3  G***  [kibuzzard-65777033]  115.87 85.4 0 top
kibuzzard-65777033#4  G***  [kibuzzard-65777033]  115.87 41.9 0 top
kibuzzard-65777033#5  G***  [kibuzzard-65777033]  55.87 41.9 0 top
kibuzzard-65777033#6  G***  [kibuzzard-65777033]  55.87 85.4 0 top
kibuzzard-65777033#7  G***  [kibuzzard-65777033]  55.87 172.4 0 top
kibuzzard-65777033#8  G***  [kibuzzard-65777033]  55.87 128.9 0 top
kibuzzard-65777037  G***  [kibuzzard-65777037]  55.87 130.43 0 top
kibuzzard-65777037#2  G***  [kibuzzard-65777037]  115.87 86.93 0 top
kibuzzard-65777037#3  G***  [kibuzzard-65777037]  115.87 173.93 0 top
kibuzzard-65777037#4  G***  [kibuzzard-65777037]  55.87 43.43 0 top
kibuzzard-65777037#5  G***  [kibuzzard-65777037]  55.87 173.93 0 top
kibuzzard-65777037#6  G***  [kibuzzard-65777037]  55.87 86.93 0 top
kibuzzard-65777037#7  G***  [kibuzzard-65777037]  115.87 130.43 0 top
kibuzzard-65777037#8  G***  [kibuzzard-65777037]  115.87 43.43 0 top
L1  470Ohm  [C_0603_1608Metric]  34.28 113.53 180 bottom
L1#2  470Ohm  [C_0603_1608Metric]  34.28 157.03 180 bottom
L1#3  470Ohm  [C_0603_1608Metric]  94.28 26.53 180 bottom
L1#4  470Ohm  [C_0603_1608Metric]  34.28 26.53 180 bottom
L1#5  470Ohm  [C_0603_1608Metric]  34.28 70.03 180 bottom
L1#6  470Ohm  [C_0603_1608Metric]  94.28 157.03 180 bottom
L1#7  470Ohm  [C_0603_1608Metric]  94.28 70.03 180 bottom
L1#8  470Ohm  [C_0603_1608Metric]  94.28 113.53 180 bottom
NOREF  -  [Fiducial_1mm_Mask3mm]  130.03 178.35 0 top
NOREF#2  -  [Fiducial_1.5mm_Mask3mm]  3.17 8.85 0 top
NOREF#3  -  [Fiducial_1mm_Mask3mm]  3.17 178.35 0 top
NOREF#4  -  [Fiducial_1.5mm_Mask3mm]  3.17 8.85 0 bottom
NOREF#5  -  [Fiducial_1mm_Mask3mm]  130.03 178.35 0 bottom
NOREF#6  -  [Fiducial_1mm_Mask3mm]  3.17 178.35 0 bottom
Q1  MBT3904DW1  [SOT-323]  23.87 70.16 180 bottom
Q1#2  MBT3904DW1  [SOT-323]  23.87 157.16 180 bottom
Q1#3  MBT3904DW1  [SOT-323]  23.87 26.66 180 bottom
Q1#4  MBT3904DW1  [SOT-323]  83.87 113.66 180 bottom
Q1#5  MBT3904DW1  [SOT-323]  83.87 26.66 180 bottom
Q1#6  MBT3904DW1  [SOT-323]  23.87 113.66 180 bottom
Q1#7  MBT3904DW1  [SOT-323]  83.87 70.16 180 bottom
Q1#8  MBT3904DW1  [SOT-323]  83.87 157.16 180 bottom
Q2  SIL2308  [SOT23-6-Tight]  115.11 24.63 0 bottom
Q2#2  SIL2308  [SOT23-6-Tight]  115.11 68.13 0 bottom
Q2#3  SIL2308  [SOT23-6-Tight]  55.11 68.13 0 bottom
Q2#4  SIL2308  [SOT23-6-Tight]  115.11 111.63 0 bottom
Q2#5  SIL2308  [SOT23-6-Tight]  55.11 111.63 0 bottom
Q2#6  SIL2308  [SOT23-6-Tight]  115.11 155.13 0 bottom
Q2#7  SIL2308  [SOT23-6-Tight]  55.11 155.13 0 bottom
Q2#8  SIL2308  [SOT23-6-Tight]  55.11 24.63 0 bottom
Q3  BSS138  [SOT23-3]  52.57 129.41 90 bottom
Q3#2  BSS138  [SOT23-3]  112.57 42.41 90 bottom
Q3#3  BSS138  [SOT23-3]  112.57 85.91 90 bottom
Q3#4  BSS138  [SOT23-3]  52.57 42.41 90 bottom
Q3#5  BSS138  [SOT23-3]  52.57 172.91 90 bottom
Q3#6  BSS138  [SOT23-3]  112.57 172.91 90 bottom
Q3#7  BSS138  [SOT23-3]  52.57 85.91 90 bottom
Q3#8  BSS138  [SOT23-3]  112.57 129.41 90 bottom
Q4  BSS138  [SOT23-3]  52.7 32.76 0 bottom
Q4#2  BSS138  [SOT23-3]  52.7 163.26 0 bottom
Q4#3  BSS138  [SOT23-3]  52.7 119.76 0 bottom
Q4#4  BSS138  [SOT23-3]  112.7 163.26 0 bottom
Q4#5  BSS138  [SOT23-3]  112.7 119.76 0 bottom
Q4#6  BSS138  [SOT23-3]  52.7 76.26 0 bottom
Q4#7  BSS138  [SOT23-3]  112.7 76.26 0 bottom
Q4#8  BSS138  [SOT23-3]  112.7 32.76 0 bottom
Q5  BSS138  [SOT23-3]  100.89 119.76 180 bottom
Q5#2  BSS138  [SOT23-3]  40.89 76.26 180 bottom
Q5#3  BSS138  [SOT23-3]  100.89 32.76 180 bottom
Q5#4  BSS138  [SOT23-3]  40.89 32.76 180 bottom
Q5#5  BSS138  [SOT23-3]  40.89 163.26 180 bottom
Q5#6  BSS138  [SOT23-3]  100.89 163.26 180 bottom
Q5#7  BSS138  [SOT23-3]  100.89 76.26 180 bottom
Q5#8  BSS138  [SOT23-3]  40.89 119.76 180 bottom
R1  10k  [R_0402_1005Metric]  87.17 17.39 90 bottom
R1#2  10k  [R_0402_1005Metric]  87.17 147.89 90 bottom
R1#3  10k  [R_0402_1005Metric]  27.17 147.89 90 bottom
R1#4  10k  [R_0402_1005Metric]  87.17 104.39 90 bottom
R1#5  10k  [R_0402_1005Metric]  27.17 60.89 90 bottom
R1#6  10k  [R_0402_1005Metric]  27.17 104.39 90 bottom
R1#7  10k  [R_0402_1005Metric]  27.17 17.39 90 bottom
R1#8  10k  [R_0402_1005Metric]  87.17 60.89 90 bottom
R2  10k  [R_0402_1005Metric]  21.07 27.17 180 bottom
R2#2  10k  [R_0402_1005Metric]  81.07 114.17 180 bottom
R2#3  10k  [R_0402_1005Metric]  81.07 27.17 180 bottom
R2#4  10k  [R_0402_1005Metric]  21.07 114.17 180 bottom
R2#5  10k  [R_0402_1005Metric]  81.07 157.67 180 bottom
R2#6  10k  [R_0402_1005Metric]  81.07 70.67 180 bottom
R2#7  10k  [R_0402_1005Metric]  21.07 157.67 180 bottom
R2#8  10k  [R_0402_1005Metric]  21.07 70.67 180 bottom
R3  10k  [R_0402_1005Metric]  21.07 113.15 180 bottom
R3#2  10k  [R_0402_1005Metric]  21.07 69.65 180 bottom
R3#3  10k  [R_0402_1005Metric]  21.07 156.65 180 bottom
R3#4  10k  [R_0402_1005Metric]  21.07 26.15 180 bottom
R3#5  10k  [R_0402_1005Metric]  81.07 69.65 180 bottom
R3#6  10k  [R_0402_1005Metric]  81.07 26.15 180 bottom
R3#7  10k  [R_0402_1005Metric]  81.07 156.65 180 bottom
R3#8  10k  [R_0402_1005Metric]  81.07 113.15 180 bottom
R4  2.2k  [R_0402_1005Metric]  24.38 61.53 180 bottom
R4#2  2.2k  [R_0402_1005Metric]  84.38 148.53 180 bottom
R4#3  2.2k  [R_0402_1005Metric]  24.38 148.53 180 bottom
R4#4  2.2k  [R_0402_1005Metric]  24.38 18.03 180 bottom
R4#5  2.2k  [R_0402_1005Metric]  84.38 18.03 180 bottom
R4#6  2.2k  [R_0402_1005Metric]  84.38 105.03 180 bottom
R4#7  2.2k  [R_0402_1005Metric]  24.38 105.03 180 bottom
R4#8  2.2k  [R_0402_1005Metric]  84.38 61.53 180 bottom
R5  10k  [R_0402_1005Metric]  58.16 83.62 180 bottom
R5#2  10k  [R_0402_1005Metric]  118.16 127.12 180 bottom
R5#3  10k  [R_0402_1005Metric]  118.16 83.62 180 bottom
R5#4  10k  [R_0402_1005Metric]  118.16 40.12 180 bottom
R5#5  10k  [R_0402_1005Metric]  58.16 40.12 180 bottom
R5#6  10k  [R_0402_1005Metric]  58.16 170.62 180 bottom
R5#7  10k  [R_0402_1005Metric]  118.16 170.62 180 bottom
R5#8  10k  [R_0402_1005Metric]  58.16 127.12 180 bottom
R6  2.2k  [R_0402_1005Metric]  24.38 106.04 180 bottom
R6#2  2.2k  [R_0402_1005Metric]  84.38 149.54 180 bottom
R6#3  2.2k  [R_0402_1005Metric]  24.38 149.54 180 bottom
R6#4  2.2k  [R_0402_1005Metric]  84.38 106.04 180 bottom
R6#5  2.2k  [R_0402_1005Metric]  84.38 62.54 180 bottom
R6#6  2.2k  [R_0402_1005Metric]  24.38 19.04 180 bottom
R6#7  2.2k  [R_0402_1005Metric]  84.38 19.04 180 bottom
R6#8  2.2k  [R_0402_1005Metric]  24.38 62.54 180 bottom
R7  1k  [R_0402_1005Metric]  85.14 145.99 270 bottom
R7#2  1k  [R_0402_1005Metric]  25.14 102.49 270 bottom
R7#3  1k  [R_0402_1005Metric]  85.14 102.49 270 bottom
R7#4  1k  [R_0402_1005Metric]  25.14 15.49 270 bottom
R7#5  1k  [R_0402_1005Metric]  25.14 58.99 270 bottom
R7#6  1k  [R_0402_1005Metric]  25.14 145.99 270 bottom
R7#7  1k  [R_0402_1005Metric]  85.14 58.99 270 bottom
R7#8  1k  [R_0402_1005Metric]  85.14 15.49 270 bottom
R8  4.7k  [R_0402_1005Metric]  84.12 102.49 270 bottom
R8#2  4.7k  [R_0402_1005Metric]  84.12 15.49 270 bottom
R8#3  4.7k  [R_0402_1005Metric]  24.12 102.49 270 bottom
R8#4  4.7k  [R_0402_1005Metric]  84.12 58.99 270 bottom
R8#5  4.7k  [R_0402_1005Metric]  24.12 15.49 270 bottom
R8#6  4.7k  [R_0402_1005Metric]  24.12 145.99 270 bottom
R8#7  4.7k  [R_0402_1005Metric]  24.12 58.99 270 bottom
R8#8  4.7k  [R_0402_1005Metric]  84.12 145.99 270 bottom
R9  1k  [R_0402_1005Metric]  107.11 156.91 180 bottom
R9#2  1k  [R_0402_1005Metric]  47.11 113.41 180 bottom
R9#3  1k  [R_0402_1005Metric]  107.11 113.41 180 bottom
R9#4  1k  [R_0402_1005Metric]  107.11 69.91 180 bottom
